# KiCad board Main.kicad_pcb (continued)
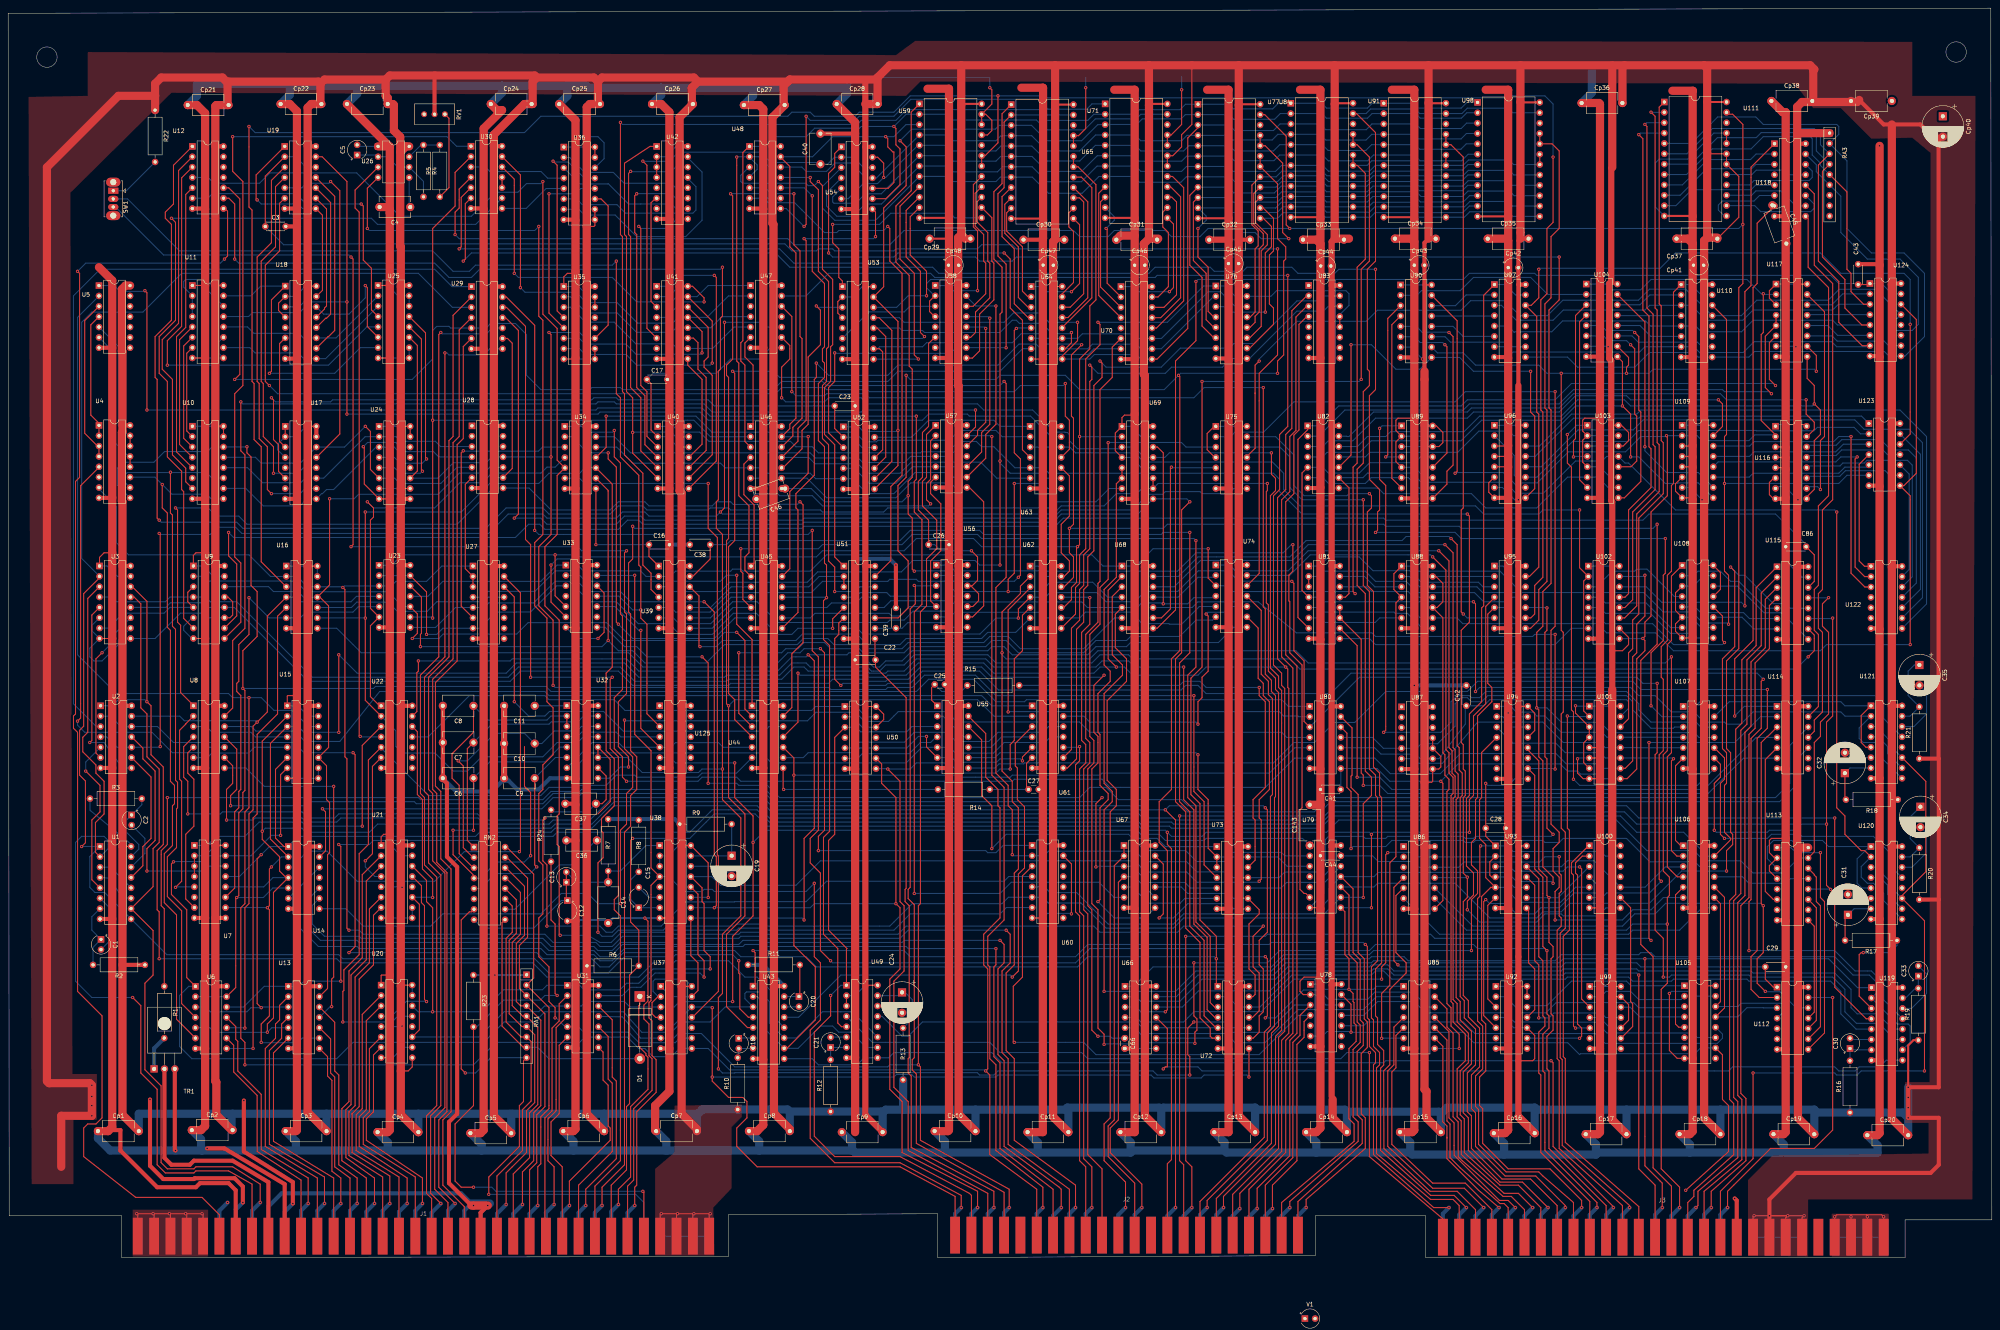
[diagram p0: board, top side]
## Routing (per net, layer and track width the routed paths; a pad name or vN(x,y) marks a point on that pad's centre or on a via; arc(x,y) is an arc through that point) (continued)
  Bottom w0.25: v1(39,112.75) 100.5,112.75 101,112.25 131,112.25 133,114.25 138.5,114.25 140,115.75 146.5,115.75 149,118.25 153.5,118.25 154,117.75 169,117.75 170,118.75 178.46,118.75 U44.6
Net-(R5-Pad1): length 21.6
  Top w0.25: RV1.1 108,279.25 108,262.25 R5.1
Net-(R14-Pad1): length 43.1
  Top w0.25: U44.8 189.87,114.88 v1(190,114.75)
  Bottom w0.25: v1(190,114.75) R14.1
Net-(R15-Pad1): length 106.7
  Top w0.25: v1(306.5,139.75) 306.5,137.75 308,136.25 308,115.25 305,112.25 305,107.75 305.5,107.25 305.5,97.41 U73.12
  Bottom w0.25: v1(306.5,139.75) 293.5,139.75 292,141.25 288,141.25 287,140.25 R15.1
Net-(RA3-R1): length 216.9
  Bottom w0.25: U111.5 412.34,273.09 418.83,279.58 428.17,279.58 430,277.75 448,277.75 448.5,277.25 448.5,275.33 RA3.2 450.5,268.83 450.5,252.25 456.5,246.25 464.5,246.25 469.5,241.25 469.5,225.75 464.72,220.97 U124.9 460.78,220.97 459.65,222.09 427.85,222.09 426.47,220.72 U110.9 414.03,220.72 412.9,221.84 402.1,221.84 398.5,218.25 384.5,218.25 382.03,220.72 U97.9
Net-(RA3-R2): length 197.2
  Top w0.25: U124.7 454.24,223.51 448.5,229.25 448.5,239.25 443.5,244.25 443.5,267.79 RA3.3
  Bottom w0.25: U124.7 455.87,223.25 448,223.25 446.75,224.5 427.75,224.5 425.1,221.84 414.6,221.84 414.5,221.75 412.99,223.26 U110.7 401.01,223.26 399.71,221.97 368.71,221.97 368.5,221.75 366.99,223.26 U97.7 ; U111.6 411.3,270.55 417.5,276.75 442,276.75 442,276.75 442.5,276.75 444,275.25 444,272.79 RA3.3
Net-(RA3-R3): length 191.7
  Top w0.25: RA3.4 444.5,266.25 444.5,245.25 450,239.75 450,232.75 454.16,228.59 U124.5
  Bottom w0.25: U124.5 448.16,228.59 447,229.75 427.5,229.75 424.68,226.93 414.82,226.93 413.41,228.34 U110.5 402.59,228.34 402.5,228.25 401.17,229.58 380.83,229.58 378.18,226.93 369.18,226.93 369,226.75 367.41,228.34 U97.5 ; U111.7 412.26,268.01 418.75,274.5 428.25,274.5 429.5,275.75 442,275.75 443,274.75 443,271.25 RA3.4
Net-(RA3-R4): length 185.8
  Top w0.25: RA3.5 450.5,261.21 450.5,242.25 451.5,241.25 451.5,236.75 454.58,233.67 U124.3
  Bottom w0.25: RA3.5 444,267.71 444,268.25 442,270.25 442,274.25 441.5,274.75 430,274.75 427,271.75 417.5,271.75 411.22,265.47 U111.8 ; U97.3 365.83,233.42 369.5,229.75 378.5,229.75 381,232.25 401,232.25 402.17,233.42 U110.3 412.33,233.42 416,229.75 425,229.75 427.5,232.25 447,232.25 448.42,233.67 U124.3
Net-(RA3-R5): length 270.8
  Top w0.25: 305.5,211.75 305.5,198.38 303.25,196.13 ; 305.5,211.75 305.5,218.75 v1(306.5,219.75) ; 305.5,211.75 305.5,212
  Bottom w0.25: U118.15 443,267.86 443,266.17 RA3.6 449,260.17 449,251.25 455.5,244.75 463.5,244.75 468,240.25 468,228.75 466.5,227.25 462,227.25 461.5,227.75 461.5,229.25 462.5,230.25 462.87,230.25 U124.13 457.55,237.33 448.58,237.33 445.92,234.67 428.42,234.67 424.63,230.88 U110.13 411,237.38 402.12,237.38 399.42,234.67 380.92,234.67 377.13,230.88 U97.13 370.37,230.88 366.7,234.55 358.3,234.55 355.95,232.2 335.45,232.2 332.75,229.5 315.75,229.5 306.5,220.25 v1(306.5,219.75)
Net-(RN2A-R1.1): length 60.1
  Top w0.25: C7.1 112.5,124.75 112.5,102.25 RN2.1
  Bottom w0.25: C7.1 118.5,130.75 132.5,130.75 133.07,131.32 139.57,131.32 140.99,132.74 U32.15
Net-(RN2B-R2.1): length 65.2
  Top w0.25: v1(110.25,121.75) 111.5,120.5 111.5,100.48 113.9,98.08 RN2.2
  Bottom w0.25: v1(110.25,121.75) 112.5,121.75 119.25,128.5 126.5,128.5 C10.1 130.75,126 133.82,129.07 139.32,129.07 140.45,130.2 U32.14
Net-(RN2C-R3.1): length 71.5
  Top w0.25: U32.2 U32.3 ; C8.1 114,128.75 108.75,123.5 108.75,117.5 110.5,115.75 110.5,99 113.96,95.54 RN2.3
  Bottom w0.25: U32.2 132.99,132.74 132,131.75 117.5,131.75 C8.1
Net-(RN2D-R4.1): length 101.2
  Top w0.25: v1(128,98.5) 128,114 126.5,115.5 126.5,125.25 ; C6.1 v1(114,104.75) ; v1(109,104.75) 109,98.75 114.13,93.62 RN2.4
  Bottom w0.25: v1(114,104.75) v1(109,104.75) ; C6.1 118,121.5 131.5,121.5 135.12,125.12 U32.5 ; v1(128,98.5) 126.46,96.96 119.71,96.96 115.75,93 RN2.4
Net-(RN2E-R5.1): length 49.5
  Top w0.25: C9.1 129,96.25 v1(129.5,95.75)
  Bottom w0.25: C9.1 134.08,122.58 U32.6 ; v1(129.5,95.75) 127.88,94.12 119.38,94.12 115.71,90.46 RN2.5
Net-(RN2G-R7.2): length 29.2
  Bottom w0.25: 144,102.25 138,96.25 135,96.25 124.13,85.38 RN2.10
Net-(RN2H-R8.1): length 63.6
  Top w0.25: C12.1 136.75,87.75 C13.1 C13.2 ; R7.1 C14.1
  Bottom w0.25: C14.1 139.25,92 C13.2 ; 146.5,94.3 146.95,94.75 150,94.75 156.25,101 U38.1 ; RN2.8 116.22,80.75 128.75,80.75 135.5,87.5 C12.1
Net-(SW1-A): length 13.2
  Bottom w0.25: R22.2 28.95,261.5 SW1.1
Net-(SW1-B): length 262.3
  Top w0.25: U125.3 156.5,133.3 156.5,155.25 155,156.75 v1(155,158.75) 155,169.25 154.5,169.75 154.5,191.75 150,196.25 150,210.75 149,211.75 v1(149,244.25)
  Bottom w0.25: SW1.2 29.25,259.5 42,246.75 104,246.75 109,241.75 113,241.75 114.5,243.25 148,243.25 v1(149,244.25) ; U33.11 149.63,162.12 153,158.75 v1(155,158.75)
Net-(SW1-C): length 266.6
  Top w0.25: v1(84,245.25) 84.5,244.75 84.5,174.75 v1(84,174.25) ; v1(152,120.25) 152,122.75 149.5,125.25 149.5,136.25 151.5,138.25 151.5,157.75 151,158.25 151,172.75 v1(151.5,173.25)
  Bottom w0.25: v1(84,245.25) 83.5,245.75 38.07,245.75 26.32,257.5 SW1.3 ; U32.9 147.25,117.5 150,120.25 v1(152,120.25) ; v1(84,174.25) 139.5,174.25 140.5,173.25 v1(151.5,173.25)
Net-(TR1-B): length 8.6
  Bottom w1: R1.2 35.75,51.3 TR1.1
Net-(U1A-A): length 439
  Top w0.25: U43.4 181.34,58.91 179.25,61 179.25,69.5 179,69.75 v1(179,72.75) ; v1(18,100.75) 18.92,101.68 18.92,116.82 17.5,118.25 17.5,129.25 18.5,130.25 18.5,162.75 22.38,166.63 U3.2
  Bottom w0.25: v1(179,72.75) 177.5,74.25 163.5,74.25 163,73.75 151,73.75 147,69.75 132.5,69.75 129,73.25 82,73.25 81,74.25 38.87,74.25 U1.9 23.62,89.5 21.26,89.5 20,90.75 20,98.28 U1.1 18.03,100.78 v1(18,100.75) ; U3.2 18,171.37 18,229.25 20.51,231.75 33,231.75 42.5,241.25 100.5,241.25 108.83,232.92 U29.3
Net-(U1A-Cext): length 13
  Bottom w0.25: C2.2 33.5,102.75 33.5,99.08 U1.14
Net-(U1A-Clr): length 9.7
  Bottom w0.25: U1.12 25.04,95.7 U1.3
Net-(U1A-Q): length 33.4
  Top w0.25: U1.13 33,96.04 33,100.75 35,102.75 35,117.8 U2.9
Net-(U1A-RCext): length 18.7
  Bottom w0.25: U1.15 32,100.12 32,101.25 28,105.25 28,106.25 C2.1 32.75,111 R3.2
Net-(U1A-~{Q}): length 10.1
  Bottom w0.25: U1.11 28,88.26 24.75,93 U1.4
Net-(U1B-Cext): length 14.5
  Bottom w0.25: C1.2 25,77.75 25,85.58 U1.6
Net-(U1B-Q): length 39.1
  Top w0.25: v1(19,119.25) 22.5,115.75 22.5,109.25 20.5,107.25 20.5,92.62 U1.5
  Bottom w0.25: U2.5 19,121.46 v1(19,119.25)
Net-(U1B-RCext): length 16.4
  Bottom w0.25: R2.2 20.8,76.05 C1.1 20.5,80.25 20.5,83.54 U1.7
Net-(U2-Pad3): length 210.9
  Bottom w0.25: U29.1 108.75,238 104.5,242.25 22.5,242.25 16,235.75 16,135.75 21.58,130.17 U2.3
Net-(U3-I1a): length 47.6
  Top w0.25: U3.5 20.5,157.49 20.5,126.75 v1(20,126.25)
  Bottom w0.25: U2.8 28,120 23.5,126.25 v1(20,126.25)
Net-(U3-I1b): length 38.3
  Top w0.25: v1(23,148.25) 21.51,146.75 21.51,123.68 U2.6
  Bottom w0.25: v1(23,148.25) 26,151.25 26,152.83 U3.11
Net-(U3-I2a): length 372.6
  Top w0.25: v1(288,144.75) 288,112.25 290.5,109.75 290.5,81.75 293.75,78.5 293.75,60.75 295.63,58.87 U72.4
  Bottom w0.25: U3.4 25.34,161.91 26.5,160.75 38.5,160.75 39.66,161.91 U9.4 48.34,161.91 49.5,160.75 56,160.75 74.5,142.25 122.5,142.25 125,144.75 150,144.75 153.5,141.25 176,141.25 176.5,141.75 189.5,141.75 192.5,144.75 195,144.75 196,143.75 210.5,143.75 211,143.25 215,143.25 215.5,143.75 219.5,143.75 222.5,146.75 239.5,146.75 241.5,144.75 266.5,144.75 268,146.25 274.5,146.25 276,144.75 v1(288,144.75)
Net-(U3-I2b): length 360
  Top w0.25: v1(268.5,52.25) 268.5,54.75 267,56.25 267,85.25 265.5,86.75 265.5,119.75 267,121.25 267,127.75 266,128.75 266,140.25 v1(268.5,142.75)
  Bottom w0.25: v1(268.5,142.75) 268,142.25 241,142.25 238.5,144.75 223.5,144.75 220.5,141.75 215.5,141.75 215,141.25 210.5,141.25 210,141.75 202,141.75 201,140.75 177,140.75 176.5,140.25 153,140.25 149.5,143.75 125.5,143.75 123,141.25 73.5,141.25 55.38,159.37 U9.12 48.88,159.37 47.75,160.5 39.75,160.5 38.62,159.37 U3.12 ; U66.8 277,51.25 275.88,52.38 268.62,52.38 v1(268.5,52.25)
Net-(U3-S0): length 274.6
  Top w0.25: U3.14 30.4,164.45 34,160.85 v1(34,136.25) 35,135.25 35,123.25 38,120.25 38,101.25 36.5,99.75 36.5,85.25 37,84.75 v1(37,73.25)
  Bottom w0.25: U43.12 187.5,58.99 187.5,64.75 183.5,68.75 180.5,68.75 176.5,72.75 163.5,72.75 163,72.25 158,72.25 154.5,68.75 132,68.75 128.5,72.25 81.5,72.25 80.5,73.25 v1(37,73.25) ; U2.1 25.5,135.25 27,136.75 33.5,136.75 v1(34,136.25)
Net-(U3-Za): length 31.3
  Top w0.25: U9.5 44,160.75 44,163.07 U9.3
  Bottom w0.25: U3.7 24.54,154.29 28.2,157.96 38.2,157.96 39.62,159.37 U9.5
Net-(U3-Zb): length 34
  Top w0.25: U9.11 54.33,156.83 55,157.5 55,160.75 53.84,161.91 U9.13
  Bottom w0.25: U3.9 36,151.75 42.2,157.96 47.8,157.96 48.92,156.83 U9.11
Net-(U4-I0): length 39.9
  Top w0.25: U5.3 18.75,229.67 18.75,202.05 21.89,198.91 U4.3 U4.4
Net-(U4-I2): length 31
  Top w0.25: U4.1 U4.2 ; U5.4 20.25,228.63 20.25,206.5 22.13,204.62 22.13,203.75
Net-(U4-I4): length 32.5
  Top w0.25: U4.14 U4.15
  Bottom w0.25: 29.75,201.21 27,203.96 27,223.34 U5.5
Net-(U4-I6): length 35.1
  Top w0.25: U4.13 U4.12
  Bottom w0.25: U5.6 25.5,222.3 25.5,200.38 29.75,196.13
Net-(U4-Z): length 104.6
  Top w0.25: v1(17,131.5) 17.75,132.25 17.75,189.21 22.13,193.59
  Bottom w0.25: U8.10 49.34,125.09 48,123.75 40.25,123.75 35.25,128.75 18.74,128.75 17,130.5 v1(17,131.5)
Net-(U5A-CP): length 403.7
  Top w0.25: v1(222,89.25) 222,158.25 223.88,160.12 223.88,180.88 222,182.75 222,190.25 222.5,190.75 v1(222.5,206.25) ; v1(33.5,237) 34,236.5 v1(34,207.75)
  Bottom w0.25: v1(222,89.25) 243,89.25 245.75,92 267.25,92 270.96,88.29 U67.6 ; v1(222.5,206.25) 172,206.25 170,208.25 144.5,208.25 144,207.75 v1(34,207.75) ; v1(33.5,237) 33.33,236.83 27.42,236.83 26,238.25 U5.1
Net-(U7-B1): length 111.7
  Top w0.25: U7.11 55.5,90.58 55.5,109.25 56.5,110.25 56.5,114.25 57,114.75 57,137.75 56,138.75 56,140.75 56.5,141.25 56.5,150.25 59,152.75 v1(59,161.75)
  Bottom w0.25: U23.5 85.79,159.54 84.47,158.22 72.97,158.22 71.55,156.8 U16.6 63.95,156.8 v1(59,161.75)
Net-(U7-B2): length 55.8
  Top w0.25: v1(34,94.75) 34,100.25 36,102.25 36,119.25 33,122.25 33,124.88 U2.11
  Bottom w0.25: U7.14 49.2,95.95 48,94.75 v1(34,94.75)
Net-(U7-B3): length 70.2
  Top w0.25: v1(86.75,105.75) 86.75,125.54 U22.3
  Bottom w0.25: U7.1 48.78,101.03 51,103.25 58,103.25 61.5,106.75 72,106.75 73,105.75 v1(86.75,105.75)
Net-(U7-Oa<b): length 42.2
  Top w0.25: U7.7 43.5,87.92 43.5,103.75 45.5,105.75 45.5,117.25 44,118.75 44,123.71 U8.5
Net-(U7-Oa>b): length 48.9
  Top w0.25: v1(41,90.75) 42.5,92.25 42.5,116.75 42,117.25 42,129.25 43.5,130.75 43.5,130.83 U8.2
  Bottom w0.25: v1(41,90.75) 41.12,90.87 U7.5
Net-(U9-S1): length 171.1
  Top w0.25: v1(178.5,153.25) 180.5,151.25 180.5,134.45 U44.2 ; U23.10 100.25,157.79 100.25,153 v1(99,151.75)
  Bottom w0.25: U23.10 96.71,159.54 93.04,163.21 73.05,163.21 70.42,165.84 48.92,165.84 47.76,166.99 U9.2 ; v1(99,151.75) 105.5,151.75 106.59,152.84 124.59,152.84 127.38,155.62 146.62,155.62 151,151.25 173.5,151.25 175.5,153.25 v1(178.5,153.25)
Net-(U9-Za): length 190.3
  Top w0.25: U9.7 43,156.67 43,187.75 42.5,188.25 42.5,192.75 39,196.25 39,214.75 37,216.75 37,225.75 41,229.75 41,253.75 v1(40,254.75)
  Bottom w0.25: U30.9 114.54,253.25 90.5,253.25 89,254.75 v1(40,254.75)
Net-(U9-Zb): length 186.5
  Top w0.25: U9.9 57,155.75 57,170.25 55.5,171.75 55.5,211.75 57.5,213.75 57.5,263.75 55,266.25 v1(55,274.75)
  Bottom w0.25: v1(55,274.75) 107.5,274.75 109.84,272.41 U30.1
Net-(U10-A0): length 69.6
  Bottom w0.25: U10.10 58.21,188.54 62.5,184.25 71.5,184.25 73.22,185.97 U17.9 76.78,187.25 77,187.25 78,188.25 79.73,188.25 90.15,198.67 U24.3 94.58,198.67 95.71,197.54 104.21,197.54 105.5,196.25 U28.4
Net-(U10-A1): length 68.1
  Bottom w0.25: U28.3 105.96,198.79 104.66,200.09 96.16,200.09 95.04,201.21 U24.2 87.46,201.21 77.3,191.05 U17.11 72.8,191.05 71.67,189.93 62.33,189.93 58.63,193.62 U10.12
Net-(U10-A2): length 78.1
  Top w0.25: v1(87.5,203.75) 88.75,202.5 88.75,193.18 U24.6
  Bottom w0.25: U24.6 94.7,191.05 96,189.75 106,189.75 109.96,193.71 U28.5 ; U10.13 60.59,196.16 62,194.75 71.58,194.75 U17.14 82.42,198.67 v1(87.5,203.75)
Net-(U10-B0): length 166.2
  Top w0.25: v1(37.75,189.5) 37.75,183.75 39,182.5 39,154.5 39.75,153.75 39.75,116.75 40.75,115.75 40.75,111.25 40.25,110.75 40.25,101 38.25,99 38.25,87 41.25,84 41.25,58.42 U6.6
  Bottom w0.25: U4.11 35.96,191.29 v1(37.75,189.5) 40.12,187.12 48.62,187.12 49.75,186 U10.9
Net-(U10-B1): length 167.4
  Top w0.25: v1(39.75,192.5) 39.75,182.5 40.25,182 40.25,154.75 41,154 41,117 41.5,116.5 41.5,110.25 41.25,110 41.25,100.5 39,98.25 39,88.5 42.5,85 42.5,62.25 U6.4
  Bottom w0.25: U4.10 28,190.62 28,191.25 29.17,192.41 39.67,192.41 v1(39.75,192.5) 39.83,192.41 48.58,192.41 49.92,191.08 U10.11
Net-(U10-B2): length 469.6
  Top w0.25: U6.13 55.75,66.2 55.75,88 v1(56,88.25) 56.5,88.75 56.5,109 57.5,110 57.5,114 58,114.5 58,139 v1(57.5,139.5) 57.5,148.75 61,152.25 61,163.25 59.5,164.75 59.5,196.25 58.5,197.25 v1(58.5,198.75)
  Bottom w0.25: v1(58.5,198.75) 58.45,198.7 U10.14 49.95,198.7 48.83,197.57 38.33,197.57 35.7,194.96 28.2,194.96 26.75,193.5 26.75,189.33 U4.9 ; U14.5 64.84,90.59 62.5,88.25 v1(56,88.25) ; v1(57.5,139.5) 89.5,139.5 90,140 131.75,140 133,138.75 222.5,138.75 225.5,141.75 236.5,141.75 242,136.25 249,136.25 249.5,136.75 312,136.75 313.63,135.12 U80.1 ; U6.2 U6.13
Net-(U10-Ia<b): length 22.9
  Top w0.25: U11.7 43.75,221.66 43.75,202.62 U10.2
Net-(U10-Ia=b): length 28.6
  Top w0.25: U11.6 43,223.45 43,200.83 U10.3
Net-(U10-Ia>b): length 34.6
  Top w0.25: U11.5 42,224.99 42,199.29 U10.4
Net-(U10-Oa<b): length 87.4
  Top w0.25: U12.2 41.75,266.45 41.75,229 37.75,225 37.75,217.75 40.25,215.25 40.25,196.75 43.5,193.5 43.5,190.17 U10.7
Net-(U10-Oa>b): length 71.8
  Top w0.25: U12.5 43.5,260.58 43.5,228 41.25,225.75 41.25,197.5 U10.5
Net-(U11-A0): length 44.4
  Bottom w0.25: U25.3 77.77,220.34 U18.9 72.59,220.34 72.5,220.25 71,221.75 60.5,221.75 59.21,223.04 U11.10
Net-(U11-A1): length 43.3
  Bottom w0.25: U25.2 80.31,225.42 U18.11 72.33,225.42 71.2,226.55 60.2,226.55 58.63,228.12 U11.12
Net-(U11-A2): length 55.1
  Top w0.25: v1(87.5,238.25) 88,237.75 88,228.21 U25.6
  Bottom w0.25: v1(87.5,238.25) 87.5,235.25 83.5,231.25 77.29,231.25 U18.14 72.79,233.04 71.38,231.62 59.88,231.62 58.91,230.66 U11.13
Net-(U11-A3): length 68.3
  Top w0.25: v1(64,216.75) 64.5,217.25 64.5,234.74 U18.1
  Bottom w0.25: U11.15 59.49,235.74 61.87,238.12 U18.1 ; U25.7 86.29,223.04 80,216.75 v1(64,216.75)
Net-(U13-Pad11): length 86.9
  Top w0.25: v1(79.25,61.5) 79.25,68.25 79.75,68.75 v1(79.75,115.5)
  Bottom w0.25: v1(79.25,61.5) 78.87,61.5 U13.11 ; v1(79.75,115.5) 62.75,115.5 58.24,120.01 U8.8
Net-(U14-Pad8): length 300.3
  Top w0.25: v1(151,131.75) 151,124.75 153,122.75 153,115.25 151.5,113.75 151.5,106.25 150,104.75 v1(150,86.75)
  Bottom w0.25: v1(151,131.75) 151.18,131.57 195.82,131.57 197.91,133.66 207.59,133.66 209.84,131.41 215.66,131.41 218.07,133.82 229.93,133.82 232.46,131.28 262.46,131.28 265,128.75 312,128.75 313.25,127.5 U80.4 ; U14.8 82.74,85.51 87,81.25 103.5,81.25 106.5,84.25 130.5,84.25 135.5,89.25 142,89.25 144.5,86.75 v1(150,86.75)
Net-(U15-DOWN): length 24.1
  Bottom w0.25: U15.4 60.62,127.63 59.5,128.75 50,128.75 48.58,130.17 U8.3
Net-(U15-QD): length 297.7
  Top w0.25: v1(66.75,103.5) 66.75,118.38 U15.7 ; U6.1 43.75,68.62 43.75,85.25 40,89 40,96.5 v1(40.5,97)
  Bottom w0.25: v1(40.5,97) 40.58,97.07 47.58,97.07 48.99,98.49 U7.15 59.49,98.49 64.5,103.5 v1(66.75,103.5) ; U49.11 206.79,60.25 204,60.25 204,60.25 199.5,60.25 193.08,53.83 U43.11 186.5,57.45 186.5,62.75 184.13,65.12 180.87,65.12 180.5,64.75 180.5,63.45 U43.3 175.7,61.45 172,57.75 165,57.75 162.47,55.21 155.25,55.21 150.75,60.25 131.5,60.25 129,57.75 121.5,57.75 116.5,52.75 84.5,52.75 80.5,48.75 45,48.75 42,51.75 42,64.25 44.24,66.49 U6.1
Net-(U15-UP): length 24.1
  Bottom w0.25: U15.5 60.34,125.09 58.92,123.68 49.92,123.68 48.8,122.55 U8.6
Net-(U15-~{LOAD}): length 197.5
  Top w0.25: v1(78.75,186) 78.75,164.88 U16.11 76.37,161.88 78.5,159.75 78.5,125.05 U15.11 78,120.55 78,112.25 78.75,111.5 78.75,99.25 78.25,98.75 78.25,65.96 U13.13
  Bottom w0.25: U16.11 72.37,161.88 71,163.25 65,163.25 63.8,164.45 U9.14 ; U28.10 117.96,193.71 116.5,192.25 116.46,192.29 110.54,192.29 105.34,187.09 85.84,187.09 84.75,186 v1(78.75,186)
Net-(U16-Pad4): length 169.5
  Top w0.25: v1(58,56.25) 58,85.75 59,86.75 59,108.75 60,109.75 60,130.25 v1(61,131.25) 63.5,133.75 63.5,157.25 U16.4
  Bottom w0.25: U16.4 70.37,161.88 71.5,160.75 84,160.75 85.33,162.08 U23.4 ; U2.13 42.04,132.71 43.17,131.59 60.67,131.59 v1(61,131.25) ; U6.10 57.92,56.33 v1(58,56.25)
Net-(U16-Pad5): length 118
  Top w0.25: U16.5 66,157.21 66,133.25 61,128.25 61,108.75 60,107.75 v1(60,51.25)
  Bottom w0.25: U6.8 v1(60,51.25)
Net-(U17-A0): length 95.8
  Top w0.25: U19.3 64.5,264.04 64.5,248.75 61,245.25 61,214.75 61.5,214.25 61.5,200.75 63.5,198.75 63.5,188.25 v1(64.5,187.25)
  Bottom w0.25: U17.10 72.76,188.51 71.5,187.25 v1(64.5,187.25)
Net-(U17-A1): length 87.2
  Top w0.25: v1(65,192.25) 65,198.75 62.5,201.25 62.5,214.25 62,214.75 62,244.25 65.5,247.75 65.5,262.5 U19.4
  Bottom w0.25: U17.12 72.34,193.59 71,192.25 v1(65,192.25)
Net-(U17-A2): length 82.8
  Top w0.25: v1(79,263.75) 81.25,261.5 81.25,201.88 U17.13
  Bottom w0.25: U19.5 71.96,262.21 73.08,263.33 78.58,263.33 v1(79,263.75)
Net-(U17-Ia=b): length 27.9
  Top w0.25: U17.3 66.5,200.05 66.5,224.04 U18.6
Net-(U18-A0): length 45.7
  Top w0.25: U18.10 78.37,225.75 78.5,225.75 80,227.25 80,260.12 U19.11
Net-(U18-A1): length 37.3
  Top w0.25: U18.12 77.79,230.25 78,230.25 79,231.25 79,258.58 U19.10
Net-(U18-A2): length 31.3
  Top w0.25: U19.9 78,257.04 78,233.25 77.5,232.75 77.5,232.5 U18.13
Net-(U18-A3): length 54.5
  Top w0.25: 60.75,259.25 v1(61,259.25) 60.75,259.5 60.75,265.37 U19.1 ; U19.8 77,255.5 77,237.08 U18.15
  Bottom w0.25: U19.8 72.12,257.13 71,258.25 63.5,258.25 63.5,258.25 62,258.25 v1(61,259.25)
Net-(U18-Ia=b): length 261.7
  Top w0.25: U19.13 76.92,269.83 83,263.75 v1(83,234.25) v1(83,206.75)
  Bottom w0.25: U18.3 71.29,233.04 72.5,234.25 v1(83,234.25) ; v1(83,206.75) 144.5,206.75 145,207.25 169.5,207.25 171.5,205.25 224,205.25 225.5,206.75 235,206.75 235.5,206.25 250.5,206.25 255.54,201.21 U63.13
Net-(U19A-MR): length 365.5
  Top w0.25: U19.2 63,265.08 C3.1 ; U74.12 306.5,167.67 306.5,216.75 311,221.25 v1(311,247.25)
  Bottom w0.25: U19.12 72.96,267.29 70.42,269.83 U19.2 ; v1(311,247.25) 247,247.25 246,248.25 238.5,248.25 237.5,247.25 217.5,247.25 217,246.75 202.5,246.75 202,247.25 198.5,247.25 198,246.75 192,246.75 190.28,248.47 71.72,248.47 71.5,248.25 67.5,248.25 C3.1
Net-(U19A-Q3): length 265.4
  Top w0.25: U19.6 66.5,258.42 66.5,246.75 63,243.25 63,214.75 v1(64,213.75) ; U63.11 260,198.13 260,205.25 259,206.25 v1(259,214.25)
  Bottom w0.25: v1(64,213.75) 66,211.75 188,211.75 189.5,213.25 200,213.25 200.5,212.75 210.5,212.75 211,212.25 246.5,212.25 248,213.75 258.5,213.75 v1(259,214.25)
Net-(U20-CLR): length 354.7
  Top w0.25: v1(172,70.75) 172,73.75 170.5,75.25 170.5,86.75 170,87.25 170,90.63 U38.13 ; U21.14 102.5,92.45 102.5,87.25 104,85.75 v1(104,60.25) ; U74.9 306.25,154.3 306.25,142 307.5,140.75 307.5,137.75 309,136.25 309,114.75 306.5,112.25 306.5,107.75 307,107.25 307,92.75 v1(306.5,92.25)
  Bottom w0.25: U38.13 172.37,93.38 174.5,91.25 193,91.25 199,97.25 276,97.25 278.75,94.5 288.75,94.5 291.25,92 306.25,92 v1(306.5,92.25) ; v1(172,70.75) 158,70.75 154.5,67.25 151.5,67.25 149.87,65.62 141.13,65.62 140.01,66.74 U31.1 131.99,66.74 130.91,65.65 121.41,65.65 116,60.25 v1(104,60.25) 100.45,60.25 U20.14
Net-(U20-DOWN): length 44.8
  Top w0.25: v1(102.5,62.75) 102,63.25 102,86.25 101.25,87 101.25,91.16 U21.13
  Bottom w0.25: v1(102.5,62.75) 102.42,62.83 97.58,62.83 93.91,59.16 U20.4
Net-(U20-~{BO}): length 272.5
  Top w0.25: v1(82,57.75) 82,65.25 82.25,65.5 82.25,70.5 86,74.25 86,99 88.25,101.25 88.25,121.96 U22.5
  Bottom w0.25: U22.5 91.38,124.87 103,113.25 130.5,113.25 132.5,115.25 138,115.25 140,117.25 140,121.25 142.46,123.71 184.54,123.71 187,121.25 220,121.25 223.83,125.08 U55.5 230.67,125.08 232.08,123.66 241.42,123.66 244,126.25 254,126.25 255.37,127.62 U61.11 ; v1(82,57.75) 94,57.75 95.41,59.16 U20.13
Net-(U20-~{LOAD}): length 365.8
  Top w0.25: U20.11 100.75,55.83 100.75,86.58 U21.11 ; v1(178,121.25) 178,112.75 182.5,108.25 v1(182.5,101.75) 182.5,83.75 177.5,78.75 v1(177.5,62.75) ; U22.12 100.25,128.92 100.25,113.5 101.5,112.25 101.5,95.25 104,92.75 v1(104,88.25)
  Bottom w0.25: v1(178,121.25) 163.5,121.25 162.2,122.55 U125.6 ; v1(182.5,101.75) 185.5,104.75 275,104.75 277,102.75 281.5,102.75 283.51,100.74 U73.1 ; U21.11 103.92,88.33 v1(104,88.25) ; v1(177.5,62.75) 164.5,62.75 163.17,61.42 U37.3 152.33,61.42 150.97,62.79 141.53,62.79 140.41,61.66 U31.3 131.41,61.66 130.03,60.29 121.53,60.29 115.33,54.08 U20.11
Net-(U21-DOWN): length 33.3
  Top w0.25: U22.6 89.25,120.42 89.25,99 v1(87.5,97.25)
  Bottom w0.25: U21.4 89.84,93.41 87.5,95.75 v1(87.5,97.25)
Net-(U22-Pad1): length 108.2
  Top w0.25: v1(88,185.25) 89.5,183.75 89.5,181.5 88.75,180.75 88.75,159.13 U23.6 88.75,154.87 88.75,137.5 91,135.25 U22.1
  Bottom w0.25: v1(88,185.25) 89.5,183.75 104.5,183.75 110.66,189.91 116.16,189.91 118.54,192.29 130.46,192.29 130.5,192.25 132,193.75 134.01,193.75 U34.4
Net-(U23-Pad9): length 202.2
  Top w0.25: U30.2 109.5,265.99 109.5,257.75 104,252.25 v1(104,205.25) v1(104,156.75)
  Bottom w0.25: U23.9 103.75,157 v1(104,156.75) ; U46.2 172.05,201.2 168,205.25 v1(104,205.25)
Net-(U23-Pad12): length 241.1
  Top w0.25: U34.9 147,188.04 v1(147,151.25) ; U23.12 101.25,161.87 101.25,153 101,152.75 v1(101,149.75)
  Bottom w0.25: v1(101,149.75) 145.5,149.75 v1(147,151.25) 149.5,148.75 153,148.75 156,145.75 171,145.75 175.5,150.25 193.32,150.25 194.82,151.75 200.81,151.75 202.31,150.25 209.25,150.25 210.25,149.25 219,149.25 220.5,150.75 239,150.75 240.5,152.25 245,152.25 248,149.25 263.5,149.25 271.05,156.8 U68.6
Net-(U24-DOWN): length 49.3
  Top w0.25: v1(102.5,195.75) 102.25,196 102.25,226.66 U25.13
  Bottom w0.25: U24.4 94.62,196.13 96.03,194.72 101.47,194.72 v1(102.5,195.75)
Net-(U24-UP): length 48.1
  Top w0.25: U25.12 101.25,225.12 101.25,193 v1(101.5,192.75)
  Bottom w0.25: U24.5 94.66,193.59 96,192.25 101,192.25 v1(101.5,192.75)
Net-(U25-DOWN): length 72.2
  Top w0.25: U25.4 89,232.29 89,242.5 87,244.5 87,257.75 v1(86.5,258.25)
  Bottom w0.25: U12.6 48.92,259.67 50.05,260.8 70.45,260.8 73,258.25 86.5,258.25 v1(86.5,258.25)
Net-(U25-UP): length 106.6
  Top w0.25: U12.3 42.5,264.66 42.5,228.25 39,224.75 v1(39,218.75)
  Bottom w0.25: v1(39,218.75) 78.5,218.75 87.87,228.12 U25.5
Net-(U26-CV): length 7.5
  Bottom w0.25: U26.5 98.25,257.25
Net-(U26-DIS): length 8.7
  Bottom w0.25: R5.2 R4.1 101.12,272.7 U26.7
Net-(U26-Q): length 147.6
  Top w0.25: U26.3 85,261.66 85,257.25 86,256.25 86,128 v1(86.25,127.75)
  Bottom w0.25: U22.4 86.37,127.63 v1(86.25,127.75)
Net-(U26-R): length 293.7
  Top w0.25: v1(130,252.75) 130,230.75 131,229.75 131,177.25 129,175.25 129,159.75 132,156.75 132,136.25 133.5,134.75 133.5,123.25 131,120.75 131,114.75 130,113.75 130,97.25 131,96.25 131,84.25 130,83.25 130,73.75 132.5,71.25 132.5,62.75 134,61.25 v1(134,58.75) ; v1(88,252.25) 88,262.12 U26.4
  Bottom w0.25: U37.9 164.55,53.8 163.43,52.68 154.57,52.68 152,55.25 141,55.25 139.67,56.58 U31.5 136.42,56.58 134.25,58.75 v1(134,58.75) ; v1(88,252.25) 88.5,251.75 129,251.75 v1(130,252.75)
Net-(U26-THR): length 22.7
  Bottom w0.25: R4.2 101.75,263.79 U26.6 95.46,267.29 92.92,269.83 U26.2 90.21,270.25 C5.1
Net-(U27A-Q): length 102.5
  Top w0.25: U44.1 182.25,151.5 178.5,155.25 v1(178.5,167.25)
  Bottom w0.25: U27.4 116.13,161.88 117.54,163.29 129.04,163.29 134.07,168.32 138.93,168.32 141.47,165.78 174.53,165.78 176,167.25 v1(178.5,167.25)
Net-(U27A-~{R}): length 448.8
  Top w0.25: v1(83.5,80.25) 83,80.75 83,122.25 82.5,122.75 82.5,163.75 v1(82,164.25) ; v1(307.5,81.25) 305,78.75 305,71.25 306.5,69.75 306.5,60.5 304.87,58.87 U72.11
  Bottom w0.25: v1(83.5,80.25) 86,80.25 87,79.25 131.5,79.25 133.5,77.25 144,77.25 145,76.25 148,76.25 150.5,78.75 162,78.75 162.5,79.25 179,79.25 179.5,79.75 184.5,79.75 185,79.25 218,79.25 220,81.25 266,81.25 267.5,79.75 286.5,79.75 288,81.25 v1(307.5,81.25) ; U27.1 106.25,169.5 102.5,165.75 95,165.75 93.87,164.62 U23.3 82.37,164.62 v1(82,164.25) 81.83,164.42 U16.12 73.33,164.42 70.79,166.96 U16.2 64.29,166.96 59,172.25 29.5,172.25 26.5,175.25 26.5,184.14 22.13,188.51
Net-(U27A-~{S1}): length 28.2
  Top w0.25: U27.3 U27.2 112,168.84 112,189.54 U28.6
Net-(U27B-Q): length 62.8
  Top w0.25: U23.13 102.5,163.16 v1(102.5,152.75)
  Bottom w0.25: U23.2 U23.13 ; v1(102.5,152.75) 105,152.75 106.51,154.26 U27.7 115.51,154.26 119.47,158.22 124.47,158.22 124.5,158.25 128,158.25 134.41,164.66 U33.3
Net-(U27B-~{S}): length 67.7
  Top w0.25: U27.6 111,159.68 111,197.25 v1(111.5,197.75)
  Bottom w0.25: v1(111.5,197.75) 111.59,197.66 129.91,197.66 130.91,198.66 U34.3
Net-(U27D-Q): length 48.7
  Bottom w0.25: U16.10 84.09,159.34 85.42,160.66 93.09,160.66 95.34,158.41 102.66,158.41 105,160.75 116.5,160.75 117.63,161.88 U27.13
